# KiCad board LivSynth_Hardware.kicad_pcb (continued)
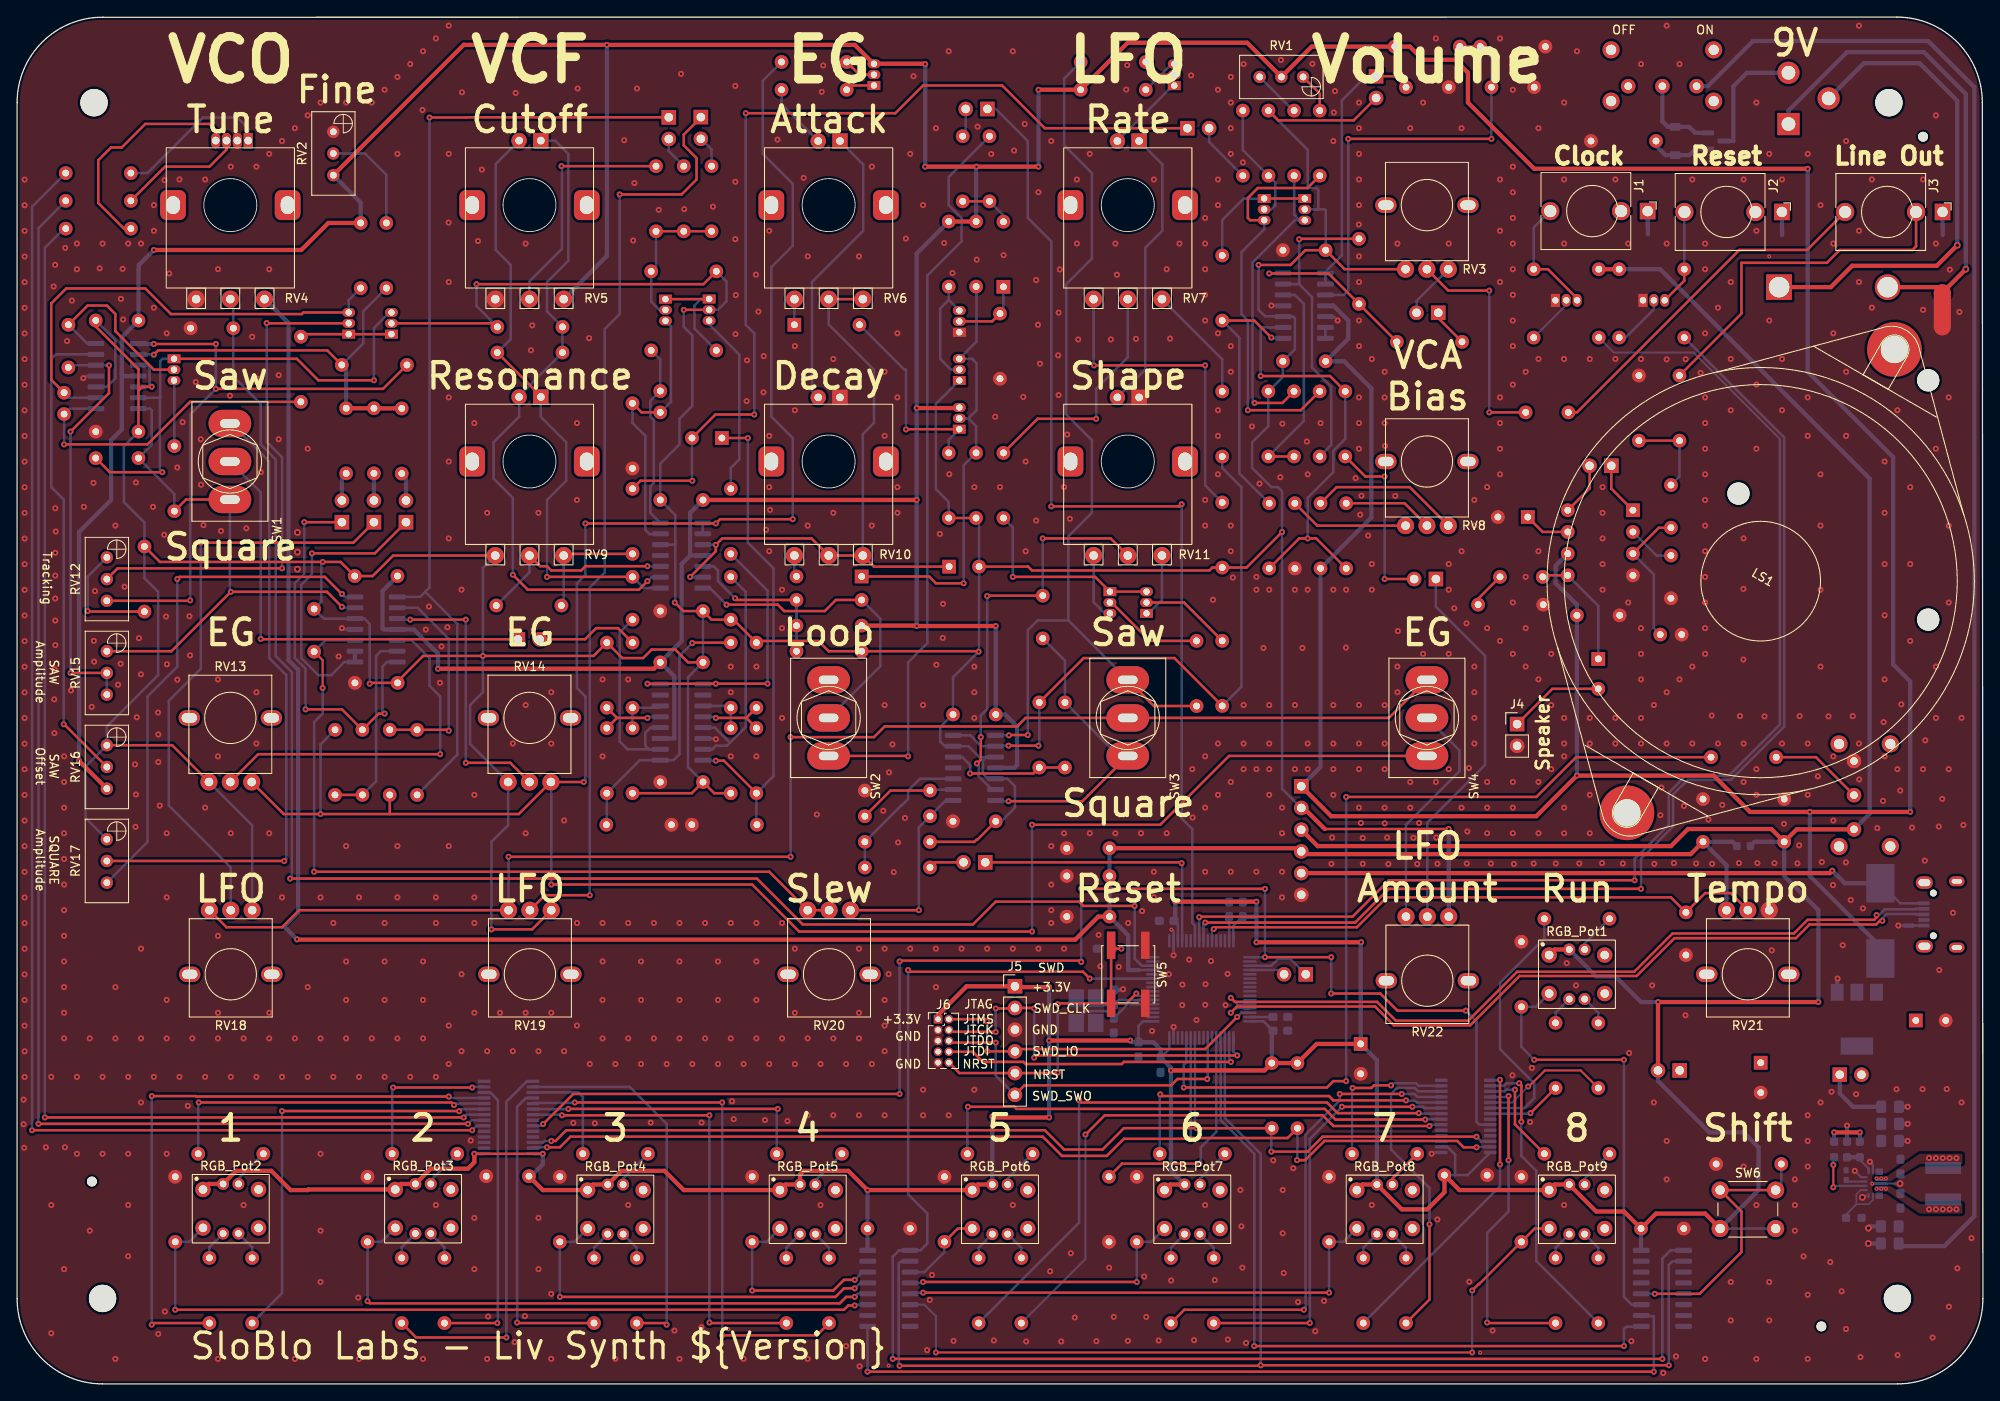
[diagram p0: board, top side]
## Routing (per net, layer and track width the routed paths; a pad name or vN(x,y) marks a point on that pad's centre or on a via; arc(x,y) is an arc through that point) (continued)
  Bottom w0.5: v1(167.5,64.93) RV22.1
Net-(C2-Pad1): length 31.5
  Top w0.3: J12.1 161.22,153 C2.1
  Bottom w0.3: U1.2 U1.1 153.07,130.13 155,132.05 155,150.18 157.82,153 J12.1
Net-(C5-Pad1): length 49.5
  Top w0.3: v1(6.25,83.18) 6.26,83.19 RV15.2 ; v1(10.75,119.18) 10.75,115.93 v1(6.25,111.43)
  Bottom w0.3: v1(10.75,119.18) 10.73,119.2 6.27,119.2 C5.1 ; RV15.2 RV15.3 ; v1(6.25,111.43) v1(6.25,83.18)
Net-(C5-Pad2): length 21.7
  Top w0.3: C5.2 8.25,126.18 10.5,126.18 11.5,125.18 11.5,123.18 16,118.68 Q14.2
  Bottom w0.3: 9.22,121.74 8.19,121.74 C5.2
Net-(C8-Pad1): length 32.6
  Top w0.3: R43.2 73.06,113.68 C8.1
  Bottom w0.3: Q9.3 76.5,123.75 76.5,114.93 C8.1 ; R43.2 72,112.43 73.5,110.93 73.5,99.93 74,99.43 74.82,99.43 74.86,99.47 U5.13
Net-(C8-Pad2): length 21.9
  Bottom w0.3: R33.2 75.25,119.87 C8.2 74.1,115.03 74.1,113.2 74.5,112.8 74.5,105.43 74.1,105.03 74.1,101.91 U5.14
Net-(C9-Pad1): length 42.1
  Top w0.3: J3.3 209.43,132.68 201.5,132.68 182.5,113.68 C9.1
Net-(C9-Pad2): length 26.8
  Top w0.3: RV3.2 167.45,127.93 v1(172.25,127.93) ; v1(172.25,113.68) C9.2
  Bottom w0.3: v1(172.25,113.68) v1(172.25,127.93)
Net-(C10-Pad1): length 58.2
  Top w0.3: C10.1 v1(85.5,110.68) ; v1(81.75,72.93) 82.69,72.93 R74.2
  Bottom w0.3: R85.2 86.5,65.49 R74.2 88.5,71.12 88.5,95.43 85.5,98.43 v1(85.5,110.68) ; v1(81.75,72.93) 80.31,72.93 U7.8
Net-(C11-Pad1): length 55.3
  Top w0.3: C11.1 4,117.48 4,126.43 5.75,128.18 15,128.18 18,125.18 33.31,125.18 33.5,125.37 Q12.3
  Bottom w0.3: C11.1 6.09,115.39 9.22,115.39 ; Q12.3 38.8,126.82 R23.2
Net-(C11-Pad2): length 37.3
  Top w0.3: R36.2 20.23,114.91 15.25,109.93 v1(5.5,109.93)
  Bottom w0.3: v1(5.5,109.93) C11.2 6.14,114.12 9.22,114.12
Net-(C13-Pad1): length 59.2
  Top w0.3: v1(17,106.68) 10.85,106.68 C13.1 ; v1(41.75,117.43) 35.25,117.43 32.73,119.95 Q14.1
  Bottom w0.3: v1(41.75,117.43) 41.75,123.54 43.58,125.37 Q11.3 ; Q14.1 17.02,119.95 16.75,119.68 16.75,115.43 16.71,115.39 ; 16.71,115.39 16.71,106.97 v1(17,106.68) ; 16.71,115.39 U2.6
Net-(C14-Pad1): length 10.4
  Top w0.3: R40.2 R41.1
  Bottom w0.3: C14.1 194.5,106.18 R40.2
Net-(C14-Pad2): length 16.5
  Top w0.3: C14.2 192.08,100.18 U3.3
  Bottom w0.3: U3.3 191.5,94.7 191.5,88.43 C28.2
Net-(C15-Pad1): length 5.4
  Top w0.3: C15.1 178.49,99.69 U3.7
Net-(C17-Pad1): length 14.3
  Top w0.3: C17.1 178.68,94.61 U3.5
  Bottom w0.3: U3.5 185,91.04 C29.1
Net-(C17-Pad2): length 4.3
  Top w0.3: C17.2 170.94,91.87 R61.1
Net-(C19-Pad1): length 94
  Top w0.25: C19.1 35.75,84.68 v1(35.75,81.43)
  Top w0.3: RV20.2 RV20.3 88,59.93 v1(34.75,59.93)
  Bottom w0.3: v1(34.75,59.93) 34.75,77.43 35.75,78.43 v1(35.75,81.43) ; C19.1 36.08,87.01 U4.10
Net-(C20-Pad1): length 28.2
  Bottom w0.3: U7.7 81.32,74.25 81.75,74.68 83.07,74.68 85.25,76.86 85.25,92.68 C20.1 ; 83.38,75.05 81.63,76.79 U7.5
Net-(C21-Pad1): length 25.4
  Bottom w0.3: U7.12 74.12,76.79 73.5,76.18 73.5,74.68 73.93,74.25 U7.10 71.43,74.25 70.5,75.18 70.5,87.93 C21.1
Net-(C21-Pad2): length 71.6
  Top w0.3: D10.1 61.28,115.59 R34.1 ; v1(62,94.43) C21.2
  Bottom w0.3: U5.8 73.31,93.12 C21.2 ; v1(62,94.43) 62,103.43 64.25,105.68 64.25,110.18 61.28,113.15 D10.1 ; D5.2 56,142.74 56,132.68 57.75,130.93 57.75,122.24 R34.1
Net-(C22-Pad1): length 73.7
  Top w0.3: C22.1 100.25,95.63 RV10.3 RV10.2 92.95,98.93 82.5,98.93 v1(81.75,98.18) 81.75,97.43 v1(78.75,94.43) ; RV6.3 RV6.2
  Bottom w0.3: RV10.3 98.95,111.13 100.25,112.43 100.25,118.68 94.95,123.98 RV6.2 ; U5.6 78.79,94.39 v1(78.75,94.43) ; v1(81.75,98.18) 80.25,98.18 U5.3
Net-(C23-Pad2): length 5.6
  Bottom w0.3: C23.2 191.81,96.93 U3.2
Net-(C25-Pad1): length 48.3
  Top w0.3: v1(112.75,75.68) 112.75,73.04 v1(112.3,72.59) ; v1(113.5,92.18) 113.55,92.23 C25.1 ; v1(120,98.93) 127.95,98.93 RV11.2
  Bottom w0.3: U6.6 114.06,69.54 112.5,71.1 112.5,72.39 v1(112.3,72.59) ; v1(112.75,75.68) 112.75,78.21 113.5,78.96 v1(113.5,92.18) ; C25.1 v1(120,98.93)
Net-(C29-Pad2): length 11.2
  Top w0.3: C29.2 179.63,81.33 J4.1
Net-(D1-Pad1): length 33.3
  Bottom w0.3: D8.2 132,118.69 132,132.93 134,134.93 134,142.7 D1.1
Net-(D1-Pad2): length 9.3
  Bottom w0.3: Q1.1 135.22,151.91 D1.2
Net-(D2-Pad1): length 33.9
  Bottom w0.3: D9.2 93,116.16 93,128.93 99,134.93 99,142.68 96.28,145.4 D2.1
Net-(D2-Pad2): length 7.8
  Bottom w0.3: D2.2 89.44,149.72 R6.2
Net-(D3-Pad1): length 18.4
  Bottom w0.3: D3.1 27.04,146.89 25.75,148.18 21.75,148.18 15.25,141.68 R14.1
Net-(D3-Pad3): length 14.7
  Top w0.3: R15.1 17.31,142.43 22.5,142.43 24.5,144.43 D3.3
Net-(D3-Pad4): length 27.1
  Top w0.3: R16.1 12.5,135.18 9.5,138.18 9.5,143.18 11,144.68 12.25,144.68 15,147.43 22.5,147.43 23.23,146.7 D3.4
Net-(D4-Pad1): length 10
  Bottom w0.5: SW7.2 192.5,147.73 193.15,147.08 D4.1 195.65,147.08 196.35,146.38 Q3.2
Net-(D4-Pad2): length 7.3
  Bottom w0.5: Q3.1 196.35,144.48 195.65,143.78 D4.2 192.85,143.78 191.81,144.82 191.81,145.43
Net-(D6-Pad1): length 8.4
  Top w0.3: R32.1 114.09,124.32 Q10.2
  Bottom w0.3: D6.1 115.4,125.64 R32.1
Net-(D6-Pad2): length 6.2
  Top w0.3: R12.1 R13.2
  Bottom w0.3: D6.2 115.4,136.74 R12.1
Net-(D7-Pad1): length 3
  Bottom w0.3: RV6.1 90.95,123.94 D7.1
Net-(D7-Pad2): length 24.2
  Top w0.3: Q15.1 104.03,111.71 v1(104,111.68)
  Bottom w0.3: D7.2 103.81,118.68 104,118.68 v1(104,111.68) ; R51.1 109,110.47 Q15.1
Net-(D10-Pad2): length 77.8
  Top w0.3: v1(73.75,93.93) 72.75,92.93 59.75,92.93 v1(58,94.68)
  Bottom w0.3: v1(73.75,93.93) 74.21,94.39 U5.9 ; D5.1 62.95,145.48 64.5,143.93 64.5,131.43 62,128.93 62,125.49 R31.1 R34.2 58.74,115.6 D10.2 58.74,113.16 55.75,110.18 55.75,105.93 58,103.68 v1(58,94.68)
Net-(D11-Pad1): length 53.1
  Top w0.3: v1(110.75,93.68) 107.5,93.68 106.7,94.48 D11.1
  Bottom w0.3: R20.2 112.22,128.39 112.25,128.43 112.25,121.96 Q13.3 111.73,119.95 112.25,119.43 112.25,113.93 111.3,112.98 Q15.2 111.29,112.98 112.2,112.07 R49.1 110.75,107.49 v1(110.75,93.68)
Net-(D11-Pad2): length 2.5
  Bottom w0.3: RV10.1 90.95,94.72 D11.2
Net-(J1-Pad1): length 1.7
  Bottom w0.5: J1.1 190.78,135.55
Net-(J1-Pad3): length 14.3
  Top w0.3: R25.2 179.11,130.43 182.52,127.01 Q7.3
  Bottom w0.3: J1.3 177.44,135.29 R25.2
Net-(J2-Pad1): length 1.7
  Bottom w0.5: J2.1 206.48,135.45
Net-(J2-Pad3): length 11.3
  Top w0.3: Q6.3 195.06,129.08 R27.2
  Bottom w0.3: R27.2 195.06,137.11
  Bottom w0.5: 195.06,137.11 J2.3
Net-(J3-Pad1): length 1.7
  Bottom w0.5: J3.1 225.28,135.45
Net-(J3-Pad2): length 41.4
  Top w0.3: J3.2 222.18,133.11 221.75,132.68 213.25,132.68 211.75,131.18 201.75,131.18 201.75,125.24 R40.1
Net-(J7-Pad2): length 14.6
  Bottom w0.5: Q3.3 200.8,145.43 200.8,151.83 202.38,153.41 J7.2
Net-(J8-Pad2): length 3.7
  Bottom w0.3: R17.1 81.25,144.43 J8.2
Net-(J9-Pad2): length 3.9
  Bottom w0.3: R18.1 76.25,144.24 J9.2
Net-(J10-Pad2): length 7.2
  Bottom w0.3: J10.2 139.47,145.31 R10.1
Net-(J11-Pad2): length 3.3
  Bottom w0.3: J11.2 110.99,146.34 R13.1
Net-(J13-Pad2): length 6.6
  Bottom w0.3: J13.2 163.74,126.71 RV3.3
Net-(J14-Pad1): length 6.2
  Top w0.3: U3.1 186.52,104.75 J14.1
Net-(J14-Pad2): length 6.3
  Top w0.3: U3.8 183.99,104.78 J14.2
Net-(J15-Pad2): length 3.4
  Bottom w0.5: R37.1 45.5,106.02 J15.2
Net-(J16-Pad2): length 3.2
  Bottom w0.5: J16.2 R38.1
Net-(J17-Pad2): length 3.4
  Bottom w0.5: R39.1 38,106.04 J17.2
Net-(J18-Pad2): length 21
  Top w0.3: v1(160,106.18) 157.74,106.18 R44.1 ; v1(160,94.18) J18.2
  Bottom w0.3: v1(160,106.18) v1(160,94.18)
Net-(J19-Pad2): length 12.1
  Top w0.3: R69.1 70.31,88.43 67.75,88.43 66.45,87.13 J19.2
Net-(J21-Pad5): length 1.3
  Bottom w0.3: NT5.2 221.81,53.63 J21.5
Net-(J22-Pad2): length 4.2
  Top w0.3: J22.2 107.41,61.03 R87.1
Net-(Q1-Pad2): length 4
  Top w0.3: R3.1 133.56,153.18 Q1.2
Net-(Q1-Pad3): length 4.6
  Bottom w0.3: R5.2 135.08,154.45 Q1.3
Net-(Q2-Pad1): length 3.4
  Top w0.3: R6.1 97.56,151.93 Q2.1
Net-(Q2-Pad2): length 3.8
  Top w0.3: Q2.2 98.54,153.2 R4.1
Net-(Q4-Pad1): length 14.8
  Top w0.3: Q5.1 Q4.1
  Bottom w0.3: R28.1 141,136.18 143.52,138.7 Q4.1
Net-(Q4-Pad2): length 14.2
  Bottom w0.3: Q4.2 146.75,137.43 147.21,137.89 147.21,140.57 R8.1 143.41,144.37 R10.2
Net-(Q4-Pad3): length 46.8
  Top w0.3: R45.1 150.19,113.93 v1(144,113.93) ; R7.2 150.97,139.93 145.16,139.93 144,138.76 144,136.43 144.27,136.16 Q4.3
  Bottom w0.3: v1(144,113.93) 144,124.43 143.25,125.18 143.25,132.43 145.91,135.09 Q4.3
Net-(Q5-Pad3): length 36.2
  Top w0.3: R46.1 148.04,114.78 v1(144.78,114.78)
  Bottom w0.3: v1(144.78,114.78) 144.75,114.75 144.75,114.68 144.55,114.88 144.55,131.22 149.49,136.16 Q5.3 150.06,136.16 149.41,136.81 R9.2
Net-(Q6-Pad2): length 6.5
  Bottom w0.3: Q6.2 191.5,125.74 188.19,122.43 R29.2
Net-(Q7-Pad2): length 5.9
  Bottom w0.25: R30.2 181.25,126.24 Q7.2
Net-(Q8-Pad1): length 13.5
  Top w0.3: Q8.1 80.95,126.93 Q9.1
  Bottom w0.3: Q8.1 80.02,126.95 79.25,126.18 79.25,123.49 R33.1
Net-(Q8-Pad3): length 21.5
  Bottom w0.3: Q8.3 80.97,123.96 84.5,120.43 84.5,108.18 83.5,107.18 R52.2
Net-(Q9-Pad2): length 17
  Top w0.3: R17.2 R18.2 R19.2
  Bottom w0.3: Q9.2 75.16,125.66 74.19,126.62 R24.1 74.75,130.74 R19.2
Net-(Q10-Pad3): length 13.4
  Bottom w0.3: 109,126.83 Q10.3 ; 109,126.83 108,125.83 108,119.93 109.25,118.68 Q13.2 ; 109,126.83 R21.2
Net-(Q11-Pad1): length 10.7
  Top w0.3: Q11.1 Q12.1 33.5,122.83 R36.1
Net-(Q12-Pad2): length 60.1
  Top w0.3: Q12.2 29.23,124.1 v1(29.2,124.13) ; v1(31,95.43) 11.76,95.43 RV12.2
  Bottom w0.3: v1(31,95.43) 31,108.43 29.2,110.23 v1(29.2,124.13)
Net-(Q14-Pad3): length 7.7
  Bottom w0.3: Q14.3 18.4,117.37 R48.1
Net-(Q16-Pad1): length 7.7
  Bottom w0.3: RV11.3 133.95,91.74 132.37,90.16 Q16.1
Net-(Q16-Pad2): length 10.7
  Top w0.3: Q16.2 136.52,91.43 R62.1
Net-(Q16-Pad3): length 23.7
  Top w0.3: Q16.3 Q17.1 126.13,94.43 v1(116.5,94.43)
  Bottom w0.3: v1(116.5,94.43) 116.5,100.22 R50.2
Net-(Q17-Pad2): length 12
  Top w0.3: Q17.2 128.05,91.43 132.54,86.94 R63.1
Net-(Q17-Pad3): length 7.9
  Bottom w0.3: Q17.3 127.26,90.16 125.95,91.47 RV11.1
Net-(R7-Pad1): length 4.7
  Top w0.3: R7.1 152.41,150.98 RV1.1
Net-(R9-Pad1): length 5.7
  Bottom w0.3: RV1.3 149.32,148.99 R9.1
Net-(R12-Pad2): length 87.1
  Top w0.3: v1(104.25,73.43) 104.2,73.48 SW2.1
  Bottom w0.3: v1(104.25,73.43) 104.25,84.43 106.5,86.68 106.5,129.68 110.5,133.68 110.5,136.43 109,137.93 109,141.22 R12.2
Net-(R19-Pad1): length 28.2
  Top w0.3: v1(63.7,142.49) R19.1
  Bottom w0.3: v1(63.7,142.49) 63.75,142.43 63.75,132.8 59.95,129 RV5.2
Net-(R22-Pad1): length 12.9
  Bottom w0.3: R22.1 43.2,141.48 40.71,143.97 RV2.2
Net-(R22-Pad2): length 47.7
  Top w0.3: v1(16,120.43) 16.5,120.93 36.29,120.93 TH1.1
  Top w0.5: R39.2 R38.2 41.78,114.14 R37.2
  Bottom w0.3: R22.2 40.5,125.52 40.5,121.74 TH1.1 ; U2.2 15.96,120.47 v1(16,120.43)
  Bottom w0.5: TH1.1 38.5,118.72 R39.2
Net-(R26-Pad1): length 19.9
  Top w0.3: R35.1 R26.1 153.44,129.93 v1(146.5,129.93)
  Bottom w0.3: v1(146.5,129.93) 146.53,129.96 U1.14
Net-(R26-Pad2): length 36.4
  Top w0.3: v1(150,133.93) 150.06,133.99 R26.2
  Bottom w0.3: U1.13 148.14,128.68 150,128.68 ; 150,128.68 v1(150,133.93) ; 150,128.68 151.5,127.18 151.5,118.93 153.75,116.68 153.75,109.87 R45.2
Net-(R28-Pad2): length 31.6
  Top w0.3: v1(146.75,122.43) 144.76,124.42 R28.2
  Bottom w0.3: R28.2 143,122.42 143,106.54 R59.2 ; v1(146.75,122.43) 146.84,122.34 148.12,122.34
Net-(R42-Pad1): length 72.5
  Top w0.3: R72.2 124.79,84.93 135.4,84.93 R62.2 ; v1(119.5,74.68) v1(116,74.68)
  Bottom w0.3: v1(119.5,74.68) 119.6,74.78 R72.2 ; v1(116,74.68) 114.53,74.68 U6.2 112.79,74.62 111.52,75.89 U6.14 ; R42.1 141,107.18 143.25,104.93 143.25,81.58 R62.2
Net-(R42-Pad2): length 13.7
  Bottom w0.3: R42.2 141,119.88 RV7.3
Net-(R44-Pad2): length 49.8
  Top w0.3: v1(145.5,117.93) 153.61,117.93 R44.2 ; R56.2 152,98.93 v1(151,98.93) 150,98.93 R59.1
  Bottom w0.3: R44.2 155.4,110.58 154,109.18 154,106.68 151,103.68 v1(151,98.93) ; U1.9 145.69,123.61 145.5,123.43 v1(145.5,117.93)
Net-(R46-Pad2): length 25.4
  Top w0.3: R47.2 R46.2
  Bottom w0.3: 148.12,127.42 149.5,127.42 150.55,126.37 150.55,112.67 R47.2
Net-(R50-Pad1): length 28
  Top w0.3: R50.1 119.39,112.93 v1(126.25,112.93)
  Bottom w0.3: RV7.2 129.95,120.13 126.25,116.43 v1(126.25,112.93)
Net-(R52-Pad1): length 34.1
  Top w0.3: v1(73.75,81.93) v1(81.75,81.93) v1(87.8,81.93)
  Bottom w0.3: U7.16 73.81,81.87 v1(73.75,81.93) ; R52.1 87.8,92.82 v1(87.8,81.93) ; U7.1 80.31,81.93 v1(81.75,81.93)
Net-(R53-Pad2): length 14.1
  Top w0.3: R53.2 64.14,97.12 RV9.3
  Bottom w0.3: R55.1 63.95,91.34 RV9.3
Net-(R54-Pad1): length 37.6
  Top w0.3: v1(126,119.18) v1(139,119.18)
  Bottom w0.3: v1(139,119.18) 139,105.14 R54.1 ; v1(126,119.18) 125.95,119.23 RV7.1
Net-(R55-Pad2): length 23.7
  Top w0.3: RV9.2 61.2,95.68 62,95.68 62.5,95.18 66,95.18 66.5,95.68 v1(73.75,95.68)
  Bottom w0.3: U5.10 73.77,95.66 v1(73.75,95.68) ; RV9.2 59.95,94.96 R55.2
Net-(R56-Pad1): length 10.5
  Top w0.3: R56.1 162.33,103.04 RV8.2
Net-(R57-Pad2): length 17.6
  Top w0.3: RV8.3 162.95,104.93 154.38,104.93 R57.2
Net-(R58-Pad1): length 14
  Top w0.3: RV8.1 152.12,100.43 R58.1
Net-(R60-Pad1): length 19.3
  Top w0.3: v1(84,91.93) 84.2,91.73 R60.1
  Bottom w0.3: U5.5 81.52,95.66 82,95.18 82,93.93 v1(84,91.93) ; R64.1 R66.2 R60.1
Net-(R60-Pad2): length 37.5
  Top w0.3: v1(83,91.18) 89,91.18 89.75,90.43 94.5,90.43 95.8,91.73 R60.2
  Bottom w0.3: U5.7 81.06,93.12 v1(83,91.18) ; R60.2 101,89.54 101,83.98 SW2.2
Net-(R65-Pad1): length 13.9
  Top w0.3: v1(8.25,90.43) 8.31,90.37 R65.1
  Bottom w0.3: RV12.1 8.25,94.46 v1(8.25,90.43)
Net-(R67-Pad1): length 8.5
  Top w0.3: 85.31,77.93 R67.1 ; 85.31,77.93 R74.1 ; 85.31,77.93 v1(81.75,77.93)
  Bottom w0.3: v1(81.75,77.93) 81.62,78.06 U7.4
Net-(R68-Pad1): length 32.2
  Top w0.3: R68.1 79.06,86.74 v1(79,86.68)
  Bottom w0.3: R86.2 69,65.49 R77.2 72.87,72.98 U7.9 76.81,72.98 77.5,73.68 77.5,85.18 v1(79,86.68)
Net-(R68-Pad2): length 5.7
  Bottom w0.3: R75.2 R68.2 83.28,79.33 U7.3
Net-(R69-Pad2): length 5.7
  Bottom w0.3: U7.14 75.03,79.12 R69.2 R76.2
Net-(R70-Pad1): length 8.5
  Top w0.3: 70.19,77.93 R70.1 ; 70.19,77.93 v1(73.75,77.93) ; 70.19,77.93 R77.1
  Bottom w0.3: v1(73.75,77.93) 73.88,78.06 U7.13
Net-(R71-Pad2): length 14.7
  Top w0.3: v1(111.5,71.43) 118.91,71.43 R72.1 R71.2
  Bottom w0.3: U6.12 110.58,73.35 111.5,72.43 v1(111.5,71.43)
Net-(R78-Pad1): length 25.2
  Top w0.3: v1(50.5,76.43) 50.39,76.54 R78.1 R79.2
  Bottom w0.3: v1(50.5,76.43) 50.5,87.18 46.86,90.82 U4.2
Net-(R80-Pad1): length 22.8
  Top w0.3: R80.1 R81.2
  Bottom w0.3: U4.6 42.56,85.74 42,85.18 42,70.52 R80.1
Net-(R82-Pad2): length 11.6
  Top w0.3: R83.1 102.19,69.43 R82.2
  Bottom w0.3: U6.9 106.92,69.54 R82.2
Net-(R83-Pad2): length 23
  Top w0.3: v1(105.5,55.43) RV20.1
  Bottom w0.3: U6.8 108.65,68.27 R83.2 105.5,65.12 v1(105.5,55.43)
Net-(R84-Pad2): length 17
  Bottom w0.3: U6.10 105.63,70.81 104.25,69.43 104.25,68.43 103.5,67.68 103.44,67.68 R84.2 R87.2
Net-(R88-Pad1): length 4.8
  Bottom w0.3: R88.1 183.4,51.52 RGB_Pot1.6
Net-(R90-Pad1): length 3.5
  Bottom w0.3: RGB_Pot1.7 185,43.43 R90.1
Net-(R91-Pad2): length 3.5
  Bottom w0.3: R91.2 180,43.43 RGB_Pot1.8
Net-(R97-Pad1): length 4.8
  Bottom w0.3: RGB_Pot7.6 138.4,24.02 R97.1
Net-(R98-Pad1): length 4.8
  Bottom w0.3: R98.1 115.9,24.02 RGB_Pot6.6
Net-(R99-Pad1): length 4.9
  Bottom w0.3: R99.1 93.4,23.83 RGB_Pot5.6
Net-(R100-Pad1): length 4.8
  Bottom w0.3: RGB_Pot4.6 70.9,24.02 R100.1
Net-(R101-Pad1): length 4.8
  Bottom w0.3: RGB_Pot9.6 183.4,24.02 R101.1
Net-(R102-Pad1): length 4.8
  Top w0.3: RGB_Pot8.6 160.9,24.02 R102.1
Net-(R103-Pad1): length 4.8
  Bottom w0.3: R103.1 48.4,23.83 RGB_Pot3.6
Net-(R104-Pad1): length 4.7
  Bottom w0.3: R104.1 25.9,24.02 RGB_Pot2.6
Net-(R115-Pad2): length 7.1
  Bottom w0.2: 215.2,21.03 215.2,22.18 215.7,22.68 U12.1 ; 215.2,21.03 216.64,21.03 217.12,21.51 U12.14 ; 215.2,21.03 213.99,19.82 R115.2
Net-(R116-Pad1): length 3.5
  Bottom w0.3: RGB_Pot9.7 185,15.93 R116.1
Net-(R117-Pad2): length 3.5
  Bottom w0.3: R117.2 180,15.93 RGB_Pot9.8
Net-(R118-Pad1): length 3.5
  Bottom w0.3: R118.1 162.5,15.93 RGB_Pot8.7
Net-(R119-Pad2): length 3.5
  Bottom w0.3: R119.2 157.5,15.93 RGB_Pot8.8
Net-(R120-Pad1): length 3.5
  Bottom w0.3: R120.1 140,15.93 RGB_Pot7.7
Net-(R121-Pad2): length 3.5
  Bottom w0.3: RGB_Pot7.8 135,15.93 R121.2
Net-(R122-Pad1): length 3.5
  Bottom w0.3: R122.1 50,16 RGB_Pot3.7
Net-(R123-Pad2): length 3.5
  Bottom w0.3: R123.2 45,16 RGB_Pot3.8
Net-(R124-Pad1): length 3.5
  Bottom w0.3: R124.1 27.5,16 RGB_Pot2.7
Net-(R125-Pad2): length 3.5
  Bottom w0.3: RGB_Pot2.8 22.5,16 R125.2
Net-(R126-Pad1): length 3.5
  Bottom w0.3: RGB_Pot6.7 117.5,15.93 R126.1
Net-(R127-Pad2): length 3.5
  Bottom w0.3: R127.2 112.5,15.93 RGB_Pot6.8
Net-(R128-Pad1): length 3.5
  Bottom w0.3: R128.1 95,15.93 RGB_Pot5.7
Net-(R129-Pad2): length 3.5
  Bottom w0.3: R129.2 90,15.93 RGB_Pot5.8
Net-(R130-Pad1): length 3.5
  Bottom w0.3: RGB_Pot4.7 72.5,15.93 R130.1
Net-(R131-Pad2): length 3.5
  Bottom w0.3: R131.2 67.5,15.93 RGB_Pot4.8
Net-(RV12-Pad3): length 73.6
  Top w0.3: v1(16,121.68) v1(23.25,121.68) ; v1(20.25,91.68) 20.2,91.63 RV12.3 ; TH1.2 42.81,116.43 v1(23.25,116.43)
  Bottom w0.3: v1(20.25,91.68) 20.25,113.43 v1(23.25,116.43) v1(23.25,121.68)
  Bottom w0.5: U2.1 14.23,121.68 v1(16,121.68)
Net-(RV13-Pad2): length 42.3
  Top w0.3: RV13.2 28.2,73.68 v1(49.5,73.68)
  Bottom w0.3: v1(49.5,73.68) 49.5,80.43 48.25,81.68 48.25,84.93 46.17,87.01 U4.5
Net-(RV14-Pad2): length 33.2
  Top w0.3: RV14.2 57.7,72.68 v1(52.5,72.68) ; v1(52.5,89.43) v1(46,89.43)
  Bottom w0.3: v1(46,89.43) 44.59,89.43 U4.3 ; v1(52.5,72.68) v1(52.5,89.43)
Net-(RV16-Pad2): length 55.9
  Top w0.3: v1(5.45,77.18) 5.51,77.18 RV16.2
  Bottom w0.3: 9.22,120.47 4.54,120.47 4,119.93 4,104.93 5.45,103.48 v1(5.45,77.18)
Net-(RV17-Pad3): length 60.8
  Top w0.3: v1(18.75,94.18) 19,94.43 36,94.43 v1(38,92.43)
  Bottom w0.3: RV17.3 15.25,63.4 15.25,80.43 18.75,83.93 v1(18.75,94.18) ; v1(38,92.43) 38.34,92.09 U4.14
Net-(RV18-Pad3): length 167.1
  Top w0.3: RV18.3 24.5,53.43 31,53.43 33,55.43 RV19.3 ; v1(57.5,61.68) v1(90.5,61.68) ; SW4.3 160.5,77.93 SW3.2 118,77.93 117,76.93 101.5,76.93 100.25,75.68 v1(90.5,75.68)
  Bottom w0.3: v1(90.5,75.68) v1(90.5,61.68) ; v1(57.5,61.68) RV19.3
Net-(RV22-Pad3): length 27.4
  Bottom w0.3: SW4.2 168.75,74.13 168.75,71.68 162.5,65.43 RV22.3
Net-(U1-Pad6): length 1.3
  Bottom w0.3: U1.6 153.07,122.34
Net-(U13-Pad10): length 105.3
  Top w0.3: v1(191.5,1.43) v1(99.5,1.43)
  Bottom w0.3: 190.1,7.93 191.5,7.93 v1(191.5,1.43) ; v1(99.5,1.43) 99.5,6.71
  Bottom w0.5: 99.5,6.71 U14.9 ; U13.10 190.1,7.93

## Copper pours and planes (outline as drawn; the poured copper is in the pictures)
+9V on Bottom: 219.85,47.68 223.15,44.33 223.15,40.83 218.6,34.93 214.7,34.93 214.7,37.43 218,37.43 218,42.18 216.75,44.43 216.75,47.03 216.15,47.48 216.15,52.18 219.8,52.18
/Power/Vin on Bottom: 221,15.43 219.4,15.43 219.4,18.93 218.75,19.43 217.2,19.43 216.5,18.73 215.2,18.73 215.2,20.23 217.45,20.83 217.45,22.38 218.4,22.38 219.7,21.23 221.1,21.23
GND on Top, Bottom: 230,-0.07 0,-0.07 0,159.93 230,159.93
GND on Bottom: 216.6,22.53 216.6,23.93 215.5,23.93 215.5,24.43 217.2,24.43 217.2,22.53
/Power/L1 on Top: 222.6,19.93 218.8,22.53 217.4,22.53 217.4,23.13 219.2,23.13 222.6,21.03 227.6,21.13 227.6,19.93
/Power/L1 on Bottom: 223.2,19.93 223.2,22.43 227.6,22.43 227.6,19.93
/Power/L2 on Top: 222.6,25.73 219.2,23.73 217.4,23.73 217.4,24.33 218.8,24.33 222.6,26.93 227.6,26.93 227.6,25.73
/Power/L2 on Bottom: 223.2,24.43 223.2,26.93 227.6,26.93 227.6,24.43
/Power/Vout on Bottom: 218.9,27.33 221.2,27.33 221.2,25.53 219.6,25.53 218.5,24.48 217.45,24.48 217.45,26.73 216.3,27.63 214.9,27.63 214.9,30.13 217.3,33.43 218.9,33.43
Net-(C52-Pad1) on Bottom: 216.05,43.93 217.2,41.93 217.2,38.48 209.25,38.48 206.75,36.48 199.5,36.48 196.75,34.68 194.5,34.68 193.65,35.18 193.65,38.18 194.5,39.18 195.75,39.18 198.25,41.93 206.95,41.88 209,43.88 213.75,43.88 214.45,44.38 214.45,46.88 216.05,46.88

## Text on the board
B.Silkscreen: RUN | PROGRAM | JLCJLCJLCJLC | GND | +9V | VBUS | VGND | +3.3V | +3.3VA
User.Comments: Copper Layer Count: | Board overall dimensions: | Min track/spacing: | Copper Finish: | Castellated pads: | Edge card connectors: | 2 | 230.0000 mm x 159.9289 mm | 0.2000 mm / 0.2000 mm | None | No | Board Thickness: | Min hole diameter: | Impedance Control: | Plated Board Edge: | 1.6000 mm | 0.3000 mm | Yes | BOARD CHARACTERISTICS
F.Silkscreen: +3.3V | GND | JTDI | JTAG | JTMS | JTCK | JTDO | NRST | SWD | SWD_IO | SWD_CLK | SWD_SWO | OFF | ON | Tracking | SAW / Amplitude | SAW / Offset | SQUARE / Amplitude | Speaker | Clock | Reset | Line Out | SloBlo Labs - Liv Synth ${Version} | Saw | Tune | Square | EG | LFO | 1 | Fine | 2 | Cutoff | Resonance | 3 | 4 | Attack | Decay | Loop | Slew | 5 | Rate | Shape | 6 | 7 | VCA / Bias | Amount | Run | 8 | Tempo | Shift | 9V | VCO | VCF | Volume
